# Altium PCB apt_battery_bms.PcbDoc (part 2 of 3) (continued)
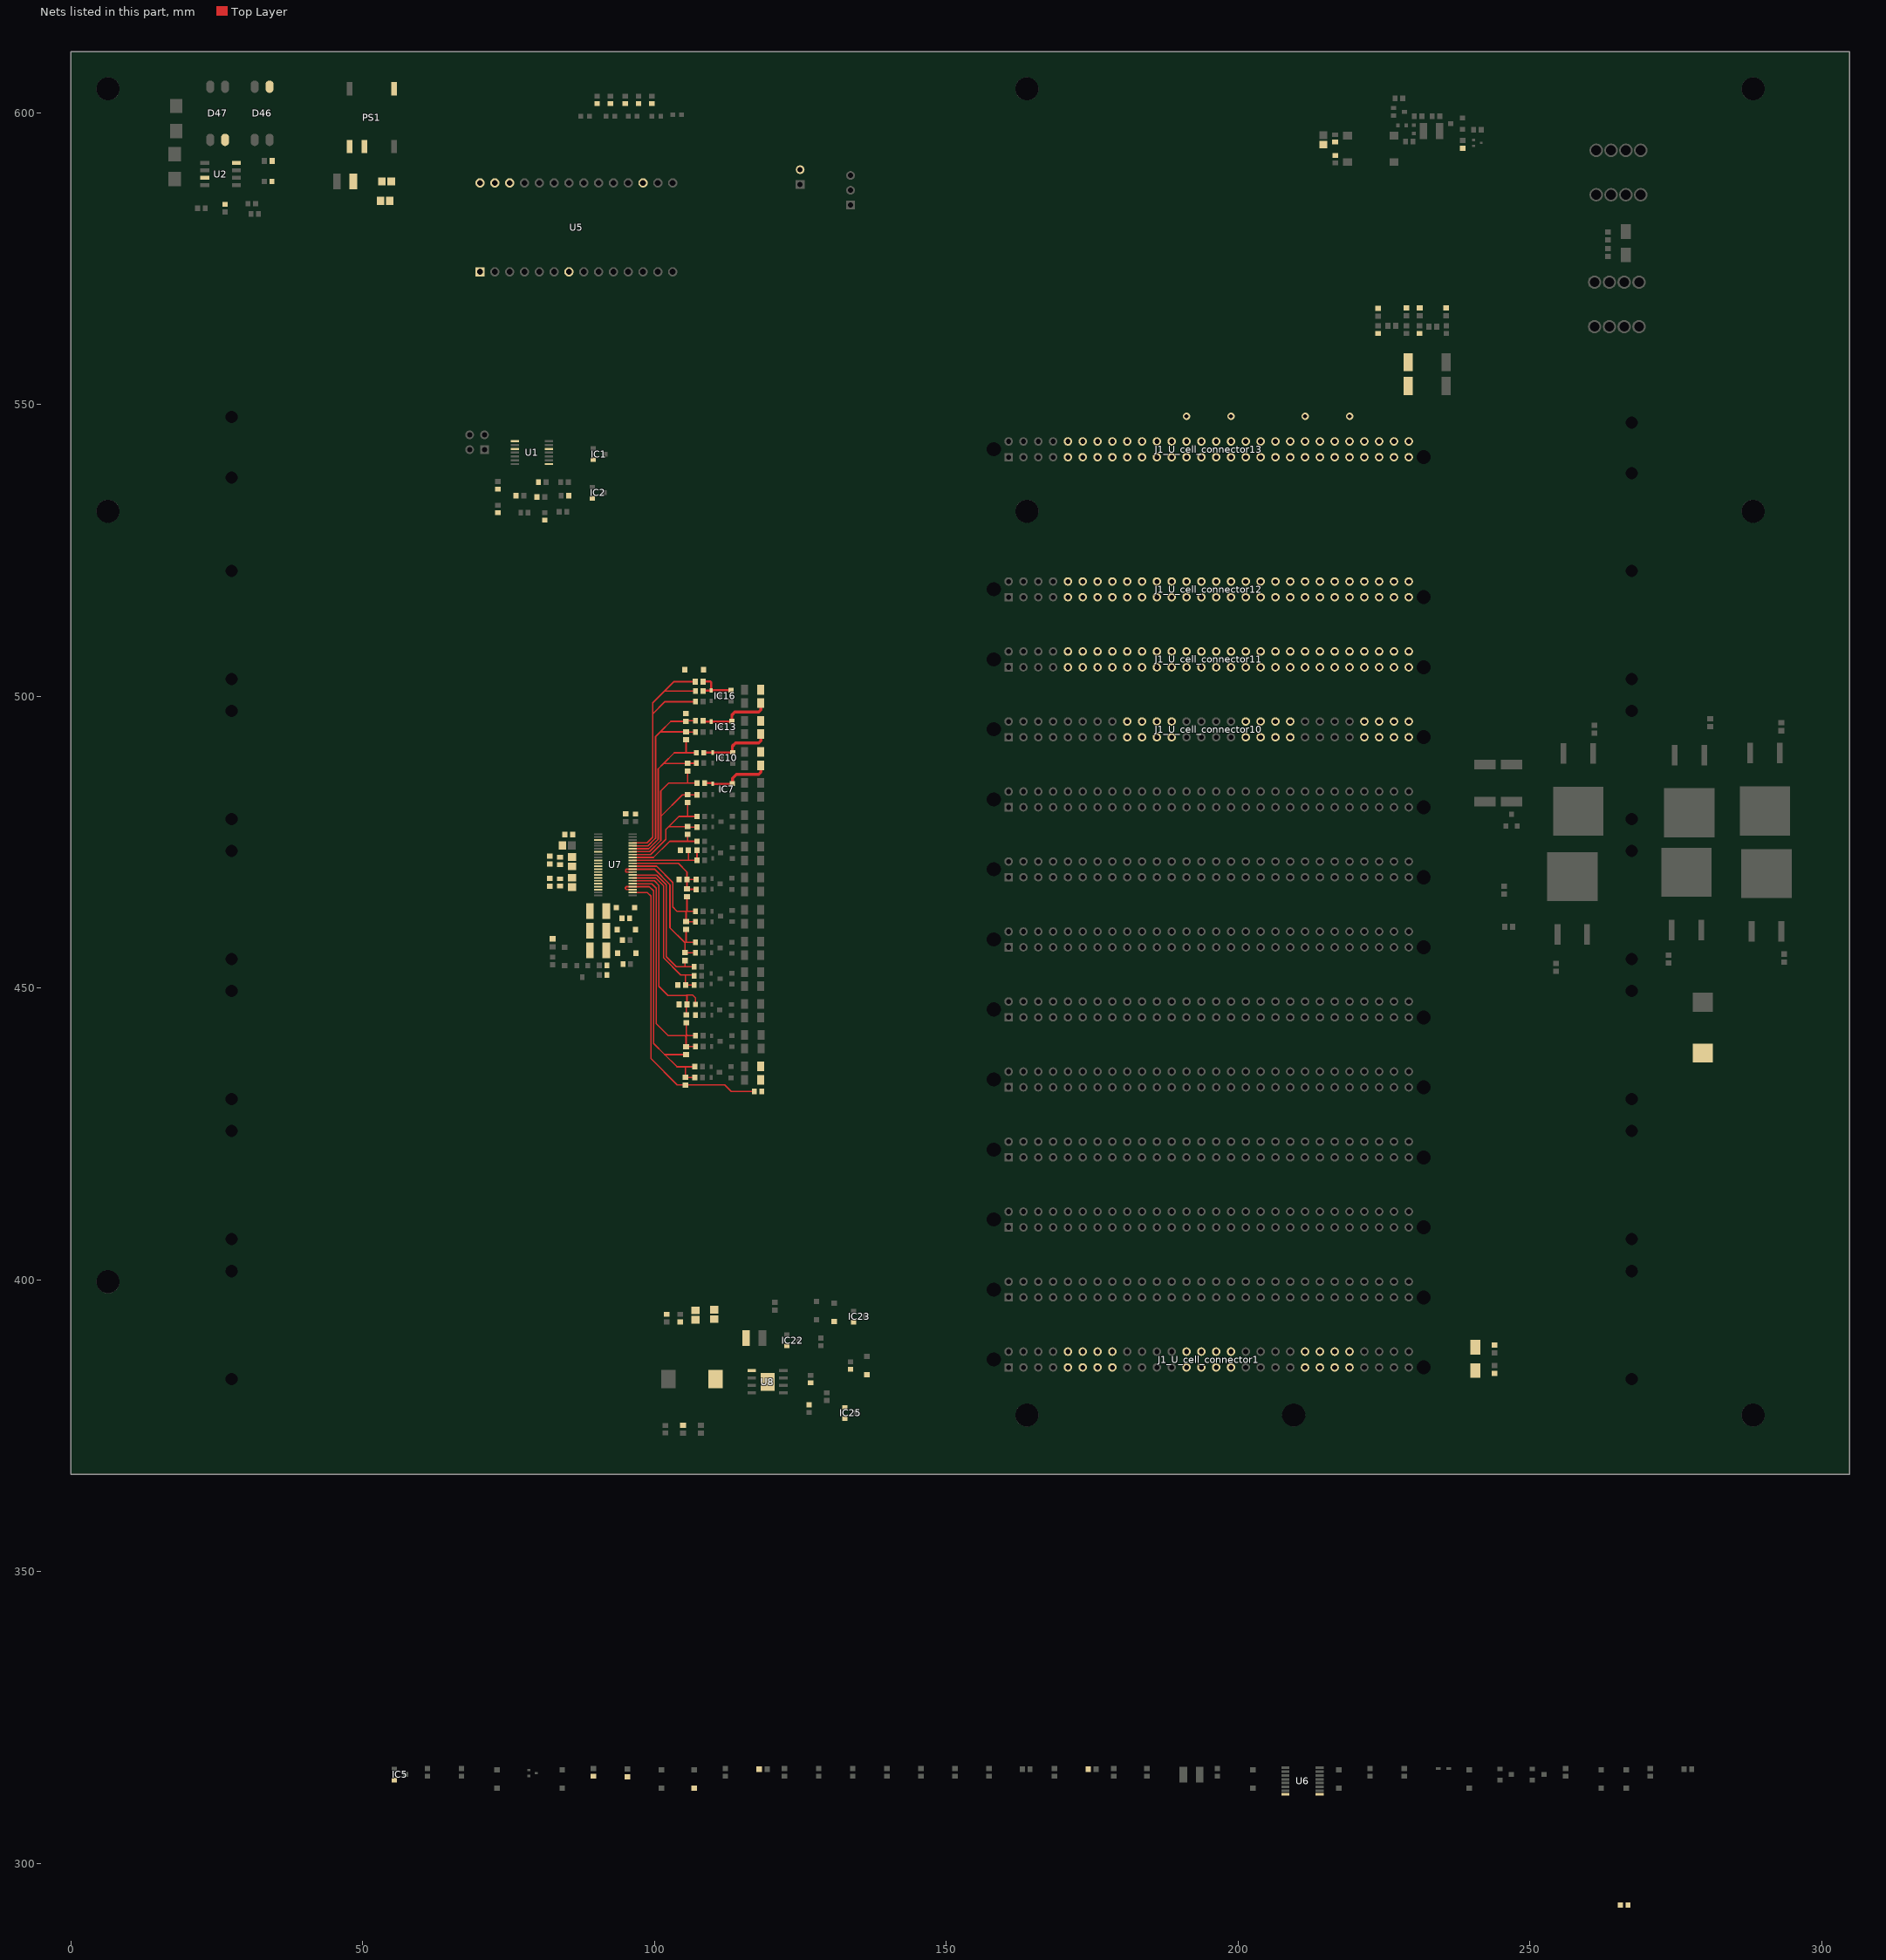
[diagram p2: the nets of this part, all layers, seen from the top]
## Part data (continued)
R106: library part CRCW06033K00FKEB, "RES SMD 3K OHM 1% 1/10W 0603", Device Package="0603 (1608 Metric)", Manufacturer="Vishay Dale", Operating Temperature="-55°C ~ 155°C", Power (Watts)="0.1W, 1/10W", Ratings=AEC-Q200, Supplier Device Package=0603, Supplier Part Number 1=541-CRCW06033K00FKEBCT-ND, Temperature Coefficient=±100ppm/°C, Tolerance=±1%, ComponentLink2Description="DigiKey Link", ComponentLink2URL=http://digikey.com/product-detail/en/vishay-dale/CRCW06033K00FKEB/541-CRCW06033K00FKEBCT-ND/11500725, Composition="Thick Film", Features="Automotive AEC-Q200", LastUpdated="9/2/2020 1:09:23 AM", Lifecycle Status=Active, Minimum Order=1, Number of Terminations=2, Package / Case="0603 (1608 Metric)", Packaging=Unknown, PartId=56606, Part Number=CRCW06033K00FKEB, Price=0.10, Resistance="3 kOhms", Series=CRCW, Supplier 1=DigiKey
R108: library part CRCW0603360KFKEA, "RES SMD 360K OHM 1% 1/10W 0603", Device Package="0603 (1608 Metric)", Manufacturer="Vishay Dale", Operating Temperature="-55°C ~ 155°C", Power (Watts)="0.1W, 1/10W", Ratings=AEC-Q200, Supplier Device Package=0603, Supplier Part Number 1=541-360KHCT-ND, Temperature Coefficient=±100ppm/°C, Tolerance=±1%, ComponentLink1Description=Datasheet, ComponentLink1URL=http://www.vishay.com/docs/20035/dcrcwe3.pdf, ComponentLink2Description="DigiKey Link", ComponentLink2URL=http://digikey.com/product-detail/en/vishay-dale/CRCW0603360KFKEA/541-360KHCT-ND/1180100, Composition="Thick Film", Features="Automotive AEC-Q200", Height - Seated (Max)="0.020\" (0.50mm)", LastUpdated="9/2/2020 1:09:57 AM", Lifecycle Status=Active, Minimum Order=1, Number of Terminations=2, Package / Case="0603 (1608 Metric)", Packaging=CutTape, PartId=17914, Part Number=CRCW0603360KFKEA, Part Status=Active, Price=0.10, Resistance="360 kOhms", Series=CRCW, Size / Dimension="0.061\" L x 0.033\" W (1.55mm x 0.85mm)", Supplier 1=DigiKey
R112: library part CRCW06033M00FKEA, "RES SMD 3M OHM 1% 1/10W 0603", Device Package="0603 (1608 Metric)", Manufacturer="Vishay Dale", Operating Temperature="-55°C ~ 155°C", Power (Watts)="0.1W, 1/10W", Ratings=AEC-Q200, Supplier Device Package=0603, Supplier Part Number 1=541-3.00MHCT-ND, Temperature Coefficient=±100ppm/°C, Tolerance=±1%, ComponentLink1Description=Datasheet, ComponentLink1URL=http://www.vishay.com/docs/20035/dcrcwe3.pdf, ComponentLink2Description="DigiKey Link", ComponentLink2URL=http://digikey.com/product-detail/en/vishay-dale/CRCW06033M00FKEA/541-3.00MHCT-ND/1180204, Composition="Thick Film", Features="Automotive AEC-Q200", Height - Seated (Max)="0.020\" (0.50mm)", LastUpdated="9/2/2020 1:09:51 AM", Lifecycle Status=Active, Minimum Order=1, Number of Terminations=2, Package / Case="0603 (1608 Metric)", Packaging=CutTape, PartId=20380, Part Number=CRCW06033M00FKEA, Part Status=Active, Price=0.10, Resistance="3 MOhms", Series=CRCW, Size / Dimension="0.061\" L x 0.033\" W (1.55mm x 0.85mm)", Supplier 1=DigiKey
R113: library part CRCW06036M80FKEA, "RES SMD 6.8M OHM 1% 1/10W 0603", Device Package="0603 (1608 Metric)", Manufacturer="Vishay Dale", Operating Temperature="-55°C ~ 155°C", Power (Watts)="0.1W, 1/10W", Ratings=AEC-Q200, Supplier Device Package=0603, Supplier Part Number 1=541-6.80MHCT-ND, Temperature Coefficient=±100ppm/°C, Tolerance=±1%, ComponentLink1Description=Datasheet, ComponentLink1URL=http://www.vishay.com/docs/20035/dcrcwe3.pdf, ComponentLink2Description="DigiKey Link", ComponentLink2URL=http://digikey.com/product-detail/en/vishay-dale/CRCW06036M80FKEA/541-6.80MHCT-ND/1180247, Composition="Thick Film", Features="Automotive AEC-Q200", Height - Seated (Max)="0.020\" (0.50mm)", LastUpdated="9/2/2020 1:09:37 AM", Lifecycle Status=Active, Minimum Order=1, Number of Terminations=2, Package / Case="0603 (1608 Metric)", Packaging=CutTape, PartId=24550, Part Number=CRCW06036M80FKEA, Part Status=Active, Price=0.10, Resistance="6.8 MOhms", Series=CRCW, Size / Dimension="0.061\" L x 0.033\" W (1.55mm x 0.85mm)", Supplier 1=DigiKey
R114: library part CRCW0603383KFKEA, "RES SMD 383K OHM 1% 1/10W 0603", Device Package="0603 (1608 Metric)", Manufacturer="Vishay Dale", Operating Temperature="-55°C ~ 155°C", Power (Watts)="0.1W, 1/10W", Ratings=AEC-Q200, Supplier Device Package=0603, Supplier Part Number 1=541-383KHCT-ND, Temperature Coefficient=±100ppm/°C, Tolerance=±1%, ComponentLink1Description=Datasheet, ComponentLink1URL=http://www.vishay.com/docs/20035/dcrcwe3.pdf, ComponentLink2Description="DigiKey Link", ComponentLink2URL=http://digikey.com/product-detail/en/vishay-dale/CRCW0603383KFKEA/541-383KHCT-ND/1180103, Composition="Thick Film", Features="Automotive AEC-Q200", Height - Seated (Max)="0.020\" (0.50mm)", LastUpdated="9/2/2020 1:09:44 AM", Lifecycle Status=Active, Minimum Order=1, Number of Terminations=2, Package / Case="0603 (1608 Metric)", Packaging=CutTape, PartId=22977, Part Number=CRCW0603383KFKEA, Part Status=Active, Price=0.10, Resistance="383 kOhms", Series=CRCW, Size / Dimension="0.061\" L x 0.033\" W (1.55mm x 0.85mm)", Supplier 1=DigiKey
R115: library part CRCW0603715KFKEA, "RES SMD 715K OHM 1% 1/10W 0603", Device Package="0603 (1608 Metric)", Manufacturer="Vishay Dale", Operating Temperature="-55°C ~ 155°C", Power (Watts)="0.1W, 1/10W", Ratings=AEC-Q200, Supplier Device Package=0603, Supplier Part Number 1=541-715KHCT-ND, Temperature Coefficient=±100ppm/°C, Tolerance=±1%, ComponentLink1Description=Datasheet, ComponentLink1URL=http://www.vishay.com/docs/20035/dcrcwe3.pdf, ComponentLink2Description="DigiKey Link", ComponentLink2URL=http://digikey.com/product-detail/en/vishay-dale/CRCW0603715KFKEA/541-715KHCT-ND/1180136, Composition="Thick Film", Features="Automotive AEC-Q200", Height - Seated (Max)="0.020\" (0.50mm)", LastUpdated="9/2/2020 1:09:44 AM", Lifecycle Status=Active, Minimum Order=1, Number of Terminations=2, Package / Case="0603 (1608 Metric)", Packaging=CutTape, PartId=22983, Part Number=CRCW0603715KFKEA, Part Status=Active, Price=0.10, Resistance="715 kOhms", Series=CRCW, Size / Dimension="0.061\" L x 0.033\" W (1.55mm x 0.85mm)", Supplier 1=DigiKey
R118: library part CRCW0603115KFKEA, "RES SMD 115K OHM 1% 1/10W 0603", Device Package="0603 (1608 Metric)", Manufacturer="Vishay Dale", Operating Temperature="-55°C ~ 155°C", Power (Watts)="0.1W, 1/10W", Ratings=AEC-Q200, Supplier Device Package=0603, Supplier Part Number 1=541-115KHCT-ND, Temperature Coefficient=±100ppm/°C, Tolerance=±1%, ComponentLink1Description=Datasheet, ComponentLink1URL=http://www.vishay.com/docs/20035/dcrcwe3.pdf, ComponentLink2Description="DigiKey Link", ComponentLink2URL=http://digikey.com/product-detail/en/vishay-dale/CRCW0603115KFKEA/541-115KHCT-ND/1180044, Composition="Thick Film", Features="Automotive AEC-Q200", Height - Seated (Max)="0.020\" (0.50mm)", LastUpdated="9/2/2020 1:09:37 AM", Lifecycle Status=Active, Minimum Order=1, Number of Terminations=2, Package / Case="0603 (1608 Metric)", Packaging=CutTape, PartId=24531, Part Number=CRCW0603115KFKEA, Part Status=Active, Price=0.10, Resistance="115 kOhms", Series=CRCW, Size / Dimension="0.061\" L x 0.033\" W (1.55mm x 0.85mm)", Supplier 1=DigiKey
R119: library part CRCW0603240KFKEA, "RES SMD 240K OHM 1% 1/10W 0603", Device Package="0603 (1608 Metric)", Manufacturer="Vishay Dale", Operating Temperature="-55°C ~ 155°C", Power (Watts)="0.1W, 1/10W", Ratings=AEC-Q200, Supplier Device Package=0603, Supplier Part Number 1=541-240KHCT-ND, Temperature Coefficient=±100ppm/°C, Tolerance=±1%, ComponentLink1Description=Datasheet, ComponentLink1URL=http://www.vishay.com/docs/20035/dcrcwe3.pdf, ComponentLink2Description="DigiKey Link", ComponentLink2URL=http://digikey.com/product-detail/en/vishay-dale/CRCW0603240KFKEA/541-240KHCT-ND/1180079, Composition="Thick Film", Features="Automotive AEC-Q200", Height - Seated (Max)="0.020\" (0.50mm)", LastUpdated="9/2/2020 1:10:18 AM", Lifecycle Status=Active, Minimum Order=1, Number of Terminations=2, Package / Case="0603 (1608 Metric)", Packaging=CutTape, PartId=7880, Part Number=CRCW0603240KFKEA, Part Status=Active, Price=0.10, Resistance="240 kOhms", Series=CRCW, Size / Dimension="0.061\" L x 0.033\" W (1.55mm x 0.85mm)", Supplier 1=DigiKey
R120 R121: library part CRCW2512604RFKEG, "RES SMD 604 OHM 1% 1W 2512", Device Package="2512 (6432 Metric)", Manufacturer="Vishay Dale", Operating Temperature="-55°C ~ 155°C", Power (Watts)=1W, Ratings=AEC-Q200, Supplier Device Package=2512, Supplier Part Number 1=541-604AFCT-ND, Temperature Coefficient=±100ppm/°C, Tolerance=±1%, ComponentLink1Description=Datasheet, ComponentLink1URL=http://www.vishay.com/docs/20035/dcrcwe3.pdf, ComponentLink2Description="DigiKey Link", ComponentLink2URL=http://digikey.com/product-detail/en/vishay-dale/CRCW2512604RFKEG/541-604AFCT-ND/3232081, Composition="Thick Film", Features="Automotive AEC-Q200", Height - Seated (Max)="0.028\" (0.70mm)", LastUpdated="9/2/2020 1:26:58 AM", Lifecycle Status=Active, Minimum Order=1, Number of Terminations=2, Package / Case="2512 (6432 Metric)", Packaging=TapeAndReel, Part Number=CRCW2512604RFKEG, Part Status=Active, Price=0.04, Resistance="604 Ohms", Series=CRCW, Size / Dimension="0.248\" L x 0.124\" W (6.30mm x 3.15mm)", Supplier 1=DigiKey
R126 R127: library part PMR100HZPJV2L0, "RES 0.002 OHM 5% 2W 2512", Device Package="2512 (6432 Metric)", Manufacturer="Rohm Semiconductor", Operating Temperature="-55°C ~ 155°C", Power (Watts)=2W, Ratings=AEC-Q200, Supplier Device Package=2512, Supplier Part Number 1=RHM.002AVCT-ND, Temperature Coefficient=±150ppm/°C, Tolerance=±5%, ComponentLink1Description=Datasheet, ComponentLink1URL=https://www.rohm.com/datasheet/PMR18EZPFV/pmr-e, ComponentLink2Description="DigiKey Link", ComponentLink2URL=http://digikey.com/product-detail/en/rohm-semiconductor/PMR100HZPJV2L0/RHM.002AVCT-ND/2094573, Composition="Thick Film", Features="Automotive AEC-Q200, Current Sense", Height - Seated (Max)="0.019\" (0.47mm)", LastUpdated="9/2/2020 1:18:06 AM", Lifecycle Status=Active, Minimum Order=1, Number of Terminations=2, Package / Case="2512 (6432 Metric)", Packaging=TapeAndReel, PartId=1522, Part Number=PMR100HZPJV2L0, Part Status=Active, Price=0.19, Resistance="2 mOhms", Series=PMR, Size / Dimension="0.252\" L x 0.126\" W (6.40mm x 3.20mm)", Supplier 1=DigiKey
S1: library part "PTS645SM43SMTR92 LFS", "SWITCH TACTILE SPST-NO 0.05A 12V", Contact Rating @ Voltage="0.05A @ 12VDC", Manufacturer=C&K, Operating Force=160gf, Operating Temperature="-20°C ~ 60°C", Supplier Part Number 1=CKN9112CT-ND, Actuator Height off PCB, Vertical=4.30mm, Actuator Orientation="Top Actuated", Actuator Type=Standard, Circuit=SPST-NO, ComponentLink1Description=Datasheet, ComponentLink1URL=https://dznh3ojzb2azq.cloudfront.net/products/Tactile/PTS645/documents/datasheet.pdf, ComponentLink2Description="DigiKey Link", ComponentLink2URL=http://digikey.com/product-detail/en/c-k/PTS645SM43SMTR92-LFS/CKN9112CT-ND/1146934, Features="Blue Actuator", Illumination=Non-Illuminated, LastUpdated="4/9/2020 9:59:00 AM", Lifecycle Status=Active, Minimum Order=1, Mounting Type="Surface Mount", Outline="6.00mm x 6.00mm", Packaging=TapeAndReel, Part Number="PTS645SM43SMTR92 LFS", Part Status=Active, Price=0.09, Series=PTS645, Supplier 1=DigiKey, Switch Function=Off-Mom, Termination Style="Gull Wing"
U1: "No Description Available", Case/Package=TSSOP, Manufacturer="Texas Instruments", Max Operating Temperature=85°C, Min Operating Temperature=-40°C, Operating Supply Voltage=4.5V, Package Quantity=2000, Supplier Part Number 1=595-BQ34Z100PWR-G1, Built_By=EMA_UL_Team, ComponentLink1Description=datasheet, ComponentLink1URL=https://www.ti.com/lit/ds/symlink/bq34z100-g1.pdf?HQS=TI-null-null-digikeymode-df-pf-null-wwe&ts=1601757828948, Contact Plating=Gold, Copyright="Copyright (C) 2018 Accelerated Designs. All rights reserved", Interface=I2C, Lead Free="Lead Free", Manufacturer Part Number=BQ34Z100PWR-G1, Mount="Surface Mount", Number of Pins=14, Packaging="Tape and Reel", Pricing 1="1=4.09, 10=3.67, 25=3.47, 100=2.85, 250=2.56, 500=2.47, 1000=2.05, 2000=1.98, 4000=1.91 (USD)", RefDes=RefDes, SourceLibrary=TI_2016-05-20, Stock 1=10681, Supplier 1=Mouser, Type=DEV, Vendor="Texas Instruments", Weight=0.004949oz
U2: "1/1 Transceiver Half RS485 8-SOIC", Case/Package=SOIC, Manufacturer="Texas Instruments", Max Operating Temperature=125°C, Min Operating Temperature=-40°C, Mouser Part Number=595-THVD1500DR, Supplier Part Number 1=296-48170-6-ND, Arrow Part Number=THVD1500DR, Arrow Price/Stock=https://www.arrow.com/en/products/thvd1500dr/texas-instruments, ComponentLink1Description=http://www.ti.com/lit/ds/symlink/thvd1500.pdf?src-supplier=Digi-Key, ComponentLink1URL=http://www.ti.com/lit/ds/symlink/thvd1500.pdf?src-supplier=Digi-Key, Data Rate=300Kbps, Datasheet Link=http://www.ti.com/lit/ds/symlink/thvd1500.pdf, Height=1.75mm, Manufacturer Part Number=THVD1500DR, Mount="Surface Mount", Mouser Price/Stock=https://www.mouser.co.uk/ProductDetail/Texas-Instruments/THVD1500DR?qs=BZBei1rCqCCoy%2F6ZamlIPw%3D%3D, Number of Pins=8, Packaging="Cut Tape", Pricing 1="1=1.29, 10=1.151, 25=1.092, 100=0.8385, 250=0.741, 500=0.702, 1000=0.546 (USD)", Receiver Hysteresis=50mV, Simplex/Duplex="Half Duplex", Stock 1=9835, Supplier 1=Digi-Key
U5: library part TEENSY_4.0, "RT1062 Teensy 4.0 series ARM® Cortex®-M7 MCU 32-Bit Embedded Evaluation Board", ComponentLink1Description=https://www.pjrc.com/store/teensy40.html, ComponentLink1URL=https://www.pjrc.com/store/teensy40.html
U6: "Battery Battery Protection IC Multi-Chemistry 16-TSSOP", Alternate_PartNumber=BQ76200PW, Case/Package=TSSOP, Manufacturer="Texas Instruments", Max Operating Temperature=85°C, Min Operating Temperature=-40°C, Operating Supply Voltage=75V, Output Voltage=14V, Supplier Part Number 1=296-43273-6-ND, ComponentLink1Description=http://www.ti.com/lit/ds/symlink/bq76200.pdf?src-supplier=Digi-Key, ComponentLink1URL=http://www.ti.com/lit/ds/symlink/bq76200.pdf?src-supplier=Digi-Key, ComponentLink2Description=http://www.ti.com/lit/gpn/bq76200?src-supplier=Mouser, ComponentLink2URL=http://www.ti.com/lit/gpn/bq76200?src-supplier=Mouser, CompType=IC, Contact Plating=Gold, Copyright="Copyright (C) 2018 Accelerated Designs. All rights reserved", Lead Free="Lead Free", Manufacturer Part Number=BQ76200PWR, Mount="Surface Mount", MountType=SMT, Number of Pins=16, PackageReference=PW0016A, Packaging="Tape and Reel", PartNumber=BQ76200PWR, PIN_COUNT=16, Pricing 1="1=2.34, 10=2.099, 25=1.98, 100=1.584, 250=1.386, 500=1.3464, 1000=1.0692 (USD)", RefDes=RefDes, RoHS=Y, Stock 1=7339, Supplier 1=Digi-Key, Type=DEV
U7: "Battery Management Li-Ion, Li-Phosphate Battery Moniter", Case/Package=TSSOP, Manufacturer="Texas Instruments", Max Operating Temperature=85°C, Min Operating Temperature=-40°C, Operating Supply Voltage=25V, Output Voltage=16V, Package Quantity=2000, Supplier Part Number 1=595-BQ7694003DBTR, Built_By=EMA_Jessica, ComponentLink1Description=http://www.ti.com/lit/gpn/bq76940?src-supplier=Mouser, ComponentLink1URL=http://www.ti.com/lit/gpn/bq76940?src-supplier=Mouser, ComponentLink2Description=http://www.ti.com/general/docs/lit/getliterature.tsp?genericPartNumber=BQ76920&amp;&amp;fileType=pdf&src-supplier=Avnet+Asia, ComponentLink2URL=http://www.ti.com/general/docs/lit/getliterature.tsp?genericPartNumber=BQ76920&amp;&amp;fileType=pdf&src-supplier=Avnet+Asia, ComponentLink3Description=http://www.ti.com/general/docs/suppproductinfo.tsp?distId=10&amp;gotoUrl=http%3A%2F%2Fwww.ti.com%2Flit%2Fgpn%2Fbq76920&src-supplier=Digi-Key, ComponentLink3URL=http://www.ti.com/general/docs/suppproductinfo.tsp?distId=10&amp;gotoUrl=http%3A%2F%2Fwww.ti.com%2Flit%2Fgpn%2Fbq76920&src-supplier=Digi-Key, ComponentLink4Description=http://www.ti.com/general/docs/lit/getliterature.tsp?genericPartNumber=BQ76920&&fileType=pdf&src-supplier=Avnet, ComponentLink4URL=http://www.ti.com/general/docs/lit/getliterature.tsp?genericPartNumber=BQ76920&&fileType=pdf&src-supplier=Avnet, ComponentLink5Description=http://www.ti.com/lit/pdf/slpt046?src-supplier=Digi-Key, ComponentLink5URL=http://www.ti.com/lit/pdf/slpt046?src-supplier=Digi-Key, Contact Plating=Gold, Copyright="Copyright (C) 2018 Accelerated Designs. All rights reserved", Lead Free="Lead Free", Manufacturer_Part_Number=BQ7694003DBTR, Manufacturer Part Number=BQ7694003DBTR, Mount="Surface Mount", Packaging="Tape and Reel", Pricing 1="1=5.18, 10=4.65, 25=4.39, 100=3.61, 250=3.24, 500=3.12 (USD)", RefDes=RefDes, SourceLibrary=TI_2019-03-25_2, Stock 1=3729, Supplier 1=Mouser, Type=DEV, Vendor="Texas Instruments", Weight=0.004914oz
U8: "Buck Switching Regulator IC Positive Adjustable 1.2V 1 Output 1A 8-PowerSOIC (0.154\", 3.90mm Width)", Manufacturer="Texas Instruments", Supplier Part Number 1=595-LM5164DDAT, Built_By=EMA_Jessica, ComponentLink1Description=Datasheet, ComponentLink1URL=https://www.ti.com/lit/ds/symlink/lm5164.pdf?HQS=TI-null-null-digikeymode-df-pf-null-wwe&ts=1601836871734, Copyright="Copyright (C) 2018 Accelerated Designs. All rights reserved", Manufacturer_Part_Number=LM5164DDAT, Manufacturer Part Number=LM5164DDAT, Pricing 1="1=4.11, 10=3.69, 25=3.49, 100=2.87, 250=2.58, 500=2.48 (USD)", Pricing 2="1=4.1, 10=3.687, 25=3.4852, 100=2.8657 (USD)", RefDes=RefDes, SourceLibrary=TI_2020-05-18, Stock 1=472, Stock 2=1139, Supplier 1=Mouser, Supplier 2=Digi-Key, Supplier Part Number 2=296-53428-6-ND, Type=DEV, Vendor="Texas Instruments"

## Free pads (board coordinates)
  round 3.962 hole 3.962: 1(6.35,399.669) 1(6.35,531.749) 1(6.35,604.139) 1(163.83,376.809) 1(163.83,531.749) 1(163.83,604.139) 1(209.55,376.809) 1(288.29,376.809) 1(288.29,531.749) 1(288.29,604.139)

## Via types
v1: diameter 1.27, hole 0.711, Top Layer to Bottom Layer, 4 vias

## Nets (pads, with @x,y where several pads share a name; then routed paths per layer and width w, separated by ;. In a path a pad name is that pad's centre, name@x,y a point inside that pad or via, vN(x,y) a via of type N, cw(c..) or ccw(c..) an arc to the next point about the centre after c; other vN are vias at no path point)
3V3: R3.1 R5.2 R12.1 R13.1 R14.1 U5.26
5V: C4.2 C5.2 C45.2 C46.2 C47.2 L1.2 PS1.2 R115.2 U5.28
5V_S: C1.2 C6.2 PS1.5 R10.2 U2.3 U2.8
430_Power: C35.2 C56.2 D41.2 D43.1 D45.2 F1.1 IC2.2 IC22.2 IC25.1 J1_U_cell_connector1.P5 J1_U_cell_connector1.P6 J1_U_cell_connector1.P7 J1_U_cell_connector1.P8 J1_U_cell_connector1.P13 J1_U_cell_connector1.P14 J1_U_cell_connector1.P15 J1_U_cell_connector1.P16 J1_U_cell_connector1.P21 J1_U_cell_connector1.P22 J1_U_cell_connector1.P23 J1_U_cell_connector1.P24 J1_U_cell_connector1.P33 J1_U_cell_connector1.P34 J1_U_cell_connector1.P35 J1_U_cell_connector1.P36 J1_U_cell_connector1.P41 J1_U_cell_connector1.P42 J1_U_cell_connector1.P43 J1_U_cell_connector1.P44 J1_U_cell_connector1.P49 J1_U_cell_connector1.P50 J1_U_cell_connector1.P51 J1_U_cell_connector1.P52 R1.2 R41.1 R42.1 R53.1 R56.1 R59.1 R112.2 U5.17
Alert_Gauge: R3.2 U1.1 U5.7
BAT: C26.2 D19.2 R41.2 U7.20
BAT-: C2.1 C3.1 C4.1 C5.1 C8.1 C9.1 C10.1 C12.1 C15.1 C19.1 C23.1 C31.1 C33.1 C36.1 C40.1 C44.1 C46.1 C47.1 C49.1 C51.2 C52.1 C54.2 C58.1 D14.1 D33.1 D37.1 D37.2 D45.1 D46.3 D47.2 Designator19.P15 Designator20.P15 Designator21.P15 Designator22.P15 IC1.2 IC5.2 IC16.2 IC23.2 IC25.2 J1_U_cell_connector13.P9 J1_U_cell_connector13.P10 J1_U_cell_connector13.P11 J1_U_cell_connector13.P12 J1_U_cell_connector13.P17 J1_U_cell_connector13.P18 J1_U_cell_connector13.P19 J1_U_cell_connector13.P20 J1_U_cell_connector13.P25 J1_U_cell_connector13.P26 J1_U_cell_connector13.P27 J1_U_cell_connector13.P28 J1_U_cell_connector13.P29 J1_U_cell_connector13.P30 J1_U_cell_connector13.P31 J1_U_cell_connector13.P32 J1_U_cell_connector13.P37 J1_U_cell_connector13.P38 J1_U_cell_connector13.P39 J1_U_cell_connector13.P40 J1_U_cell_connector13.P45 J1_U_cell_connector13.P46 J1_U_cell_connector13.P47 J1_U_cell_connector13.P48 P7.2 PS1.1 R8.1 R15.1 R16.1 R17.1 R18.1 R19.1 R38.1 R60.1 R102.1 R110.1 R116.1 R117.2 R119.1 R122.2 R124.2 R126.1 R127.1 U1.3 U1.8 U1.12 U5.1 U5.27 U6.8 U6.9 U7.3 U8.1 U8.9 | length 7.7
  Top Layer w0.381: R102.1@108.346,500.899 108.473,501.026 D33.1@109.728,501.026 ; C36.1@108.371,502.539 109.601,502.539 109.728,502.412 D33.1@109.728,501.026 ; IC16.2@113.141,501.076 109.778,501.076 D33.1@109.728,501.026
  other v1: 191.18,548.005 198.8,548.005 211.5,548.005 219.12,548.005
C0: C36.2 R99.1 R102.2 U7.41 | length 49.2
  Top Layer w0.254: U7.41@96.244,474.895 98.721,474.895 99.72,475.894 99.72,497.002 ; C36.2@107.021,502.539 103.353,502.539 101.713,500.899 ; R99.1@107.046,499.099 101.818,499.099 99.72,497.002 ; R102.2@107.046,500.899 101.713,500.899 ; 99.72,497.002 99.72,498.907 101.713,500.899
C1: C27.1 C33.2 R85.1 R89.2 R106.2 U7.40 | length 35.9
  Top Layer w0.254: U7.40@96.244,474.395 98.881,474.395 100.178,475.691 100.178,493.09 101.03,493.943 ; R85.1@107.046,493.903 105.45,493.903 C27.1@105.41,493.943 101.03,493.943 ; R89.2@107.046,495.827 105.494,495.827 C33.2@105.385,495.717 102.805,495.717 101.03,493.943
C2: C20.1 C27.2 R73.1 R76.2 U7.39 | length 32.7
  Top Layer w0.254: U7.39@96.244,473.895 99.028,473.895 100.635,475.502 100.635,487.578 101.578,488.522 ; C27.2@105.41,492.593 105.41,490.398 105.359,490.347 ; R73.1@107.173,488.558 105.7,488.558 C20.1@105.664,488.522 101.578,488.522 ; R76.2@107.173,490.347 105.359,490.347 ; 101.578,488.522 103.403,490.347 105.359,490.347
C3: C16.1 C20.2 R61.1 R64.2 U7.38 | length 30.7
  Top Layer w0.254: U7.38@96.244,473.395 99.176,473.395 101.092,475.31 101.092,479.425 ; C20.2@105.664,487.172 105.664,485.165 105.689,485.14 ; R61.1@107.3,483.108 105.693,483.108 C16.1@105.664,483.137 104.804,483.137 101.092,479.425 ; R64.2@107.3,485.14 105.689,485.14 ; 101.092,479.425 101.092,483.802 102.43,485.14 105.689,485.14
C4: C14.1 C16.2 R50.1 R51.2 U7.37 | length 22
  Top Layer w0.254: U7.37@96.244,472.895 99.337,472.895 101.93,475.488 101.93,477.19 102.427,477.687 ; C16.2@105.664,481.787 105.664,479.461 105.639,479.436 ; R50.1@107.3,477.586 105.765,477.586 C14.1@105.664,477.687 102.427,477.687 ; R51.2@107.3,479.436 105.639,479.436 ; 102.427,477.687 104.176,479.436 105.639,479.436
C5: C14.2 D32.1 R46.2 U7.36 | length 13.4
  Top Layer w0.254: U7.36@96.244,472.395 99.827,472.395 102.605,475.172 105.613,475.172 ; C14.2@105.664,476.337 105.664,475.223 105.613,475.172 ; R46.2@107.3,475.172 105.613,475.172
C5B: C37.2 R100.1 R103.2 U7.35 | length 14.5
  Top Layer w0.254: U7.35@96.244,471.895 105.816,471.895 ; C37.2@105.831,473.623 105.831,471.909 105.816,471.895 ; R103.2@107.3,473.623 R100.1@107.3,471.932 107.263,471.895 105.816,471.895
C5X: C13.1 C25.1 C30.1 C31.2 C34.1 C37.1 D32.2 R43.2 R47.1 R95.2 U7.10
C6: C29.1 C34.2 R86.1 R90.2 U7.34 | length 16
  Top Layer w0.254: U7.34@96.244,471.395 104.093,471.395 105.577,469.911 C34.2@105.577,468.63 ; R86.1@107.13,466.93 105.666,466.93 C29.1@105.577,467.019 C34.2@105.577,468.63 ; R90.2@107.13,468.63 C34.2@105.577,468.63
C7: C22.1 C29.2 R74.1 R77.2 U7.33 | length 22.4
  Top Layer w0.254: U7.33@96.244,470.895 100.351,470.895 103.124,468.122 103.124,463.906 103.85,463.18 105.537,463.18 ; C29.2@105.577,465.669 105.577,463.22 105.537,463.18 ; R74.1@107.046,461.38 105.451,461.38 C22.1@105.41,461.421 105.41,463.053 105.537,463.18 ; R77.2@107.046,463.18 105.537,463.18
C8: C18.1 C22.2 R62.1 R65.2 U7.31 U7.32 | length 28.9
  Top Layer w0.254: U7.31@96.244,469.895 95.154,469.895 95.072,469.976 95.072,470.256 95.211,470.395 U7.32@96.244,470.395 100.011,470.395 102.667,467.739 102.667,460.35 105.17,457.846 ; C22.2@105.41,460.071 105.41,457.846 ; R62.1@107.046,456.046 105.258,456.046 C18.1@105.232,456.072 105.232,457.784 105.17,457.846 ; R65.2@107.046,457.846 105.41,457.846 ; 105.17,457.846 105.41,457.846
C9: C18.2 D28.1 R52.2 U7.30 | length 25.3
  Top Layer w0.254: U7.30@96.244,469.395 100.364,469.395 102.032,467.727 102.032,455.397 103.734,453.695 105.232,453.695 ; C18.2@105.232,454.722 105.232,453.695 ; R52.2@106.792,453.695 105.232,453.695
C10: C28.1 C32.2 R87.1 R91.2 U7.28 | length 33.9
  Top Layer w0.254: U7.28@96.244,468.395 99.981,468.395 100.762,467.614 100.762,450.317 102.326,448.753 105.577,448.753 ; C28.1@105.459,445.429 105.459,447.099 C32.2@105.577,447.218 105.577,448.753 ; R91.2@107.046,447.218 107.046,448.325 106.553,448.818 105.512,448.818 105.577,448.753
C10B: C38.2 R101.1 R104.2 U7.29 | length 27.9
  Top Layer w0.254: U7.29@96.244,468.895 100.218,468.895 101.575,467.538 101.575,455.207 104.509,452.272 105.385,452.272 ; R101.1@106.792,450.53 106.777,450.545 C38.2@105.323,450.545 105.323,452.211 105.385,452.272 ; R104.2@106.792,452.12 106.64,452.272 105.385,452.272
C10X: C11.1 C24.1 C26.1 C30.2 C32.1 C38.1 D28.2 R44.1 R88.2 U7.15
C11: C21.1 C28.2 R75.1 R78.2 U7.27 | length 41.1
  Top Layer w0.254: U7.27@96.244,467.895 99.541,467.895 100.305,467.131 100.305,443.928 102.365,441.869 105.258,441.869 ; C28.2@105.459,444.079 105.459,442.074 105.664,441.869 ; R75.1@107.046,440.019 105.459,440.019 C21.1@105.41,439.97 105.41,441.717 105.258,441.869 ; R78.2@107.046,441.869 105.664,441.869 ; 105.258,441.869 105.664,441.869
C12: C17.1 C21.2 R63.1 R66.2 U7.25 U7.26 | length 48.6
  Top Layer w0.254: U7.25@96.244,466.895 95.182,466.895 95.021,467.055 95.021,467.284 95.132,467.395 U7.26@96.244,467.395 99.127,467.395 99.847,466.674 99.847,440.538 101.765,438.62 ; C21.2@105.41,438.62 101.765,438.62 ; R63.1@106.919,434.71 105.374,434.71 C17.1@105.323,434.761 105.323,436.535 ; R66.2@106.919,436.535 105.323,436.535 ; 101.765,438.62 103.85,436.535 105.323,436.535
C13: C17.2 D19.1 R53.2 U7.24 | length 51.3
  Top Layer w0.254: U7.24@96.244,466.395 98.781,466.395 99.39,465.785 99.39,437.932 103.911,433.411 C17.2@105.323,433.411 112.054,433.411 113.182,432.283 R53.2@117.104,432.283
CAP1: C23.2 U7.7
CAP2: C13.2 C25.2 R47.2 U7.11 U7.12 U7.13 U7.14
CAP3: C11.2 C24.2 R44.2 U7.16 U7.17 U7.18 U7.19
Cell1: D29.1 IC13.2 J1_U_cell_connector12.P9 J1_U_cell_connector12.P10 J1_U_cell_connector12.P11 J1_U_cell_connector12.P12 J1_U_cell_connector12.P17 J1_U_cell_connector12.P18 J1_U_cell_connector12.P19 J1_U_cell_connector12.P20 J1_U_cell_connector12.P25 J1_U_cell_connector12.P26 J1_U_cell_connector12.P27 J1_U_cell_connector12.P28 J1_U_cell_connector12.P29 J1_U_cell_connector12.P30 J1_U_cell_connector12.P31 J1_U_cell_connector12.P32 J1_U_cell_connector12.P37 J1_U_cell_connector12.P38 J1_U_cell_connector12.P39 J1_U_cell_connector12.P40 J1_U_cell_connector12.P45 J1_U_cell_connector12.P46 J1_U_cell_connector12.P47 J1_U_cell_connector12.P48 J1_U_cell_connector13.P5 J1_U_cell_connector13.P6 J1_U_cell_connector13.P7 J1_U_cell_connector13.P8 J1_U_cell_connector13.P13 J1_U_cell_connector13.P14 J1_U_cell_connector13.P15 J1_U_cell_connector13.P16 J1_U_cell_connector13.P21 J1_U_cell_connector13.P22 J1_U_cell_connector13.P23 J1_U_cell_connector13.P24 J1_U_cell_connector13.P33 J1_U_cell_connector13.P34 J1_U_cell_connector13.P35 J1_U_cell_connector13.P36 J1_U_cell_connector13.P41 J1_U_cell_connector13.P42 J1_U_cell_connector13.P43 J1_U_cell_connector13.P44 J1_U_cell_connector13.P49 J1_U_cell_connector13.P50 J1_U_cell_connector13.P51 J1_U_cell_connector13.P52 R89.1 R92.1 R96.1 | length 12.5
  Top Layer w0.381: R89.1@108.346,495.827 108.481,495.692 D29.1@109.728,495.692 113.075,495.692 IC13.2@113.268,495.885
  Top Layer w0.508: IC13.2@113.268,495.885 113.268,496.824 113.776,497.332 117.856,497.332 118.237,497.713 R96.1@118.237,498.856
Cell2: D25.1 IC10.2 J1_U_cell_connector11.P9 J1_U_cell_connector11.P10 J1_U_cell_connector11.P11 J1_U_cell_connector11.P12 J1_U_cell_connector11.P17 J1_U_cell_connector11.P18 J1_U_cell_connector11.P19 J1_U_cell_connector11.P20 J1_U_cell_connector11.P25 J1_U_cell_connector11.P26 J1_U_cell_connector11.P27 J1_U_cell_connector11.P28 J1_U_cell_connector11.P29 J1_U_cell_connector11.P30 J1_U_cell_connector11.P31 J1_U_cell_connector11.P32 J1_U_cell_connector11.P37 J1_U_cell_connector11.P38 J1_U_cell_connector11.P39 J1_U_cell_connector11.P40 J1_U_cell_connector11.P45 J1_U_cell_connector11.P46 J1_U_cell_connector11.P47 J1_U_cell_connector11.P48 J1_U_cell_connector12.P5 J1_U_cell_connector12.P6 J1_U_cell_connector12.P7 J1_U_cell_connector12.P8 J1_U_cell_connector12.P13 J1_U_cell_connector12.P14 J1_U_cell_connector12.P15 J1_U_cell_connector12.P16 J1_U_cell_connector12.P21 J1_U_cell_connector12.P22 J1_U_cell_connector12.P23 J1_U_cell_connector12.P24 J1_U_cell_connector12.P33 J1_U_cell_connector12.P34 J1_U_cell_connector12.P35 J1_U_cell_connector12.P36 J1_U_cell_connector12.P41 J1_U_cell_connector12.P42 J1_U_cell_connector12.P43 J1_U_cell_connector12.P44 J1_U_cell_connector12.P49 J1_U_cell_connector12.P50 J1_U_cell_connector12.P51 J1_U_cell_connector12.P52 R76.1 R79.1 R82.1 | length 12.4
  Top Layer w0.381: R76.1@108.473,490.347 109.971,490.347 D25.1@109.982,490.358 IC10.2@113.345,490.358
  Top Layer w0.508: IC10.2@113.345,490.358 113.345,491.461 113.883,491.998 117.856,491.998 118.24,492.382 R82.1@118.24,493.522
Cell3: D22.1 IC7.2 J1_U_cell_connector10.P9 J1_U_cell_connector10.P10 J1_U_cell_connector10.P11 J1_U_cell_connector10.P12 J1_U_cell_connector10.P17 J1_U_cell_connector10.P18 J1_U_cell_connector10.P19 J1_U_cell_connector10.P20 J1_U_cell_connector10.P25 J1_U_cell_connector10.P26 J1_U_cell_connector10.P27 J1_U_cell_connector10.P28 J1_U_cell_connector10.P29 J1_U_cell_connector10.P30 J1_U_cell_connector10.P31 J1_U_cell_connector10.P32 J1_U_cell_connector10.P37 J1_U_cell_connector10.P38 J1_U_cell_connector10.P39 J1_U_cell_connector10.P40 J1_U_cell_connector10.P45 J1_U_cell_connector10.P46 J1_U_cell_connector10.P47 J1_U_cell_connector10.P48 J1_U_cell_connector11.P5 J1_U_cell_connector11.P6 J1_U_cell_connector11.P7 J1_U_cell_connector11.P8 J1_U_cell_connector11.P13 J1_U_cell_connector11.P14 J1_U_cell_connector11.P15 J1_U_cell_connector11.P16 J1_U_cell_connector11.P21 J1_U_cell_connector11.P22 J1_U_cell_connector11.P23 J1_U_cell_connector11.P24 J1_U_cell_connector11.P33 J1_U_cell_connector11.P34 J1_U_cell_connector11.P35 J1_U_cell_connector11.P36 J1_U_cell_connector11.P41 J1_U_cell_connector11.P42 J1_U_cell_connector11.P43 J1_U_cell_connector11.P44 J1_U_cell_connector11.P49 J1_U_cell_connector11.P50 J1_U_cell_connector11.P51 J1_U_cell_connector11.P52 R64.1 R67.1 R70.1 | length 12.2
  Top Layer w0.381: R64.1@108.6,485.14 109.855,485.14 D22.1@109.971,485.024 113.35,485.024 IC7.2@113.375,485.049
  Top Layer w0.508: IC7.2@113.375,485.049 113.375,485.993 114.046,486.664 117.856,486.664 118.24,487.048 R67.1@118.24,488.188